# Altium PCB board _ordered.PcbDoc (part 1 of 2) (continued)
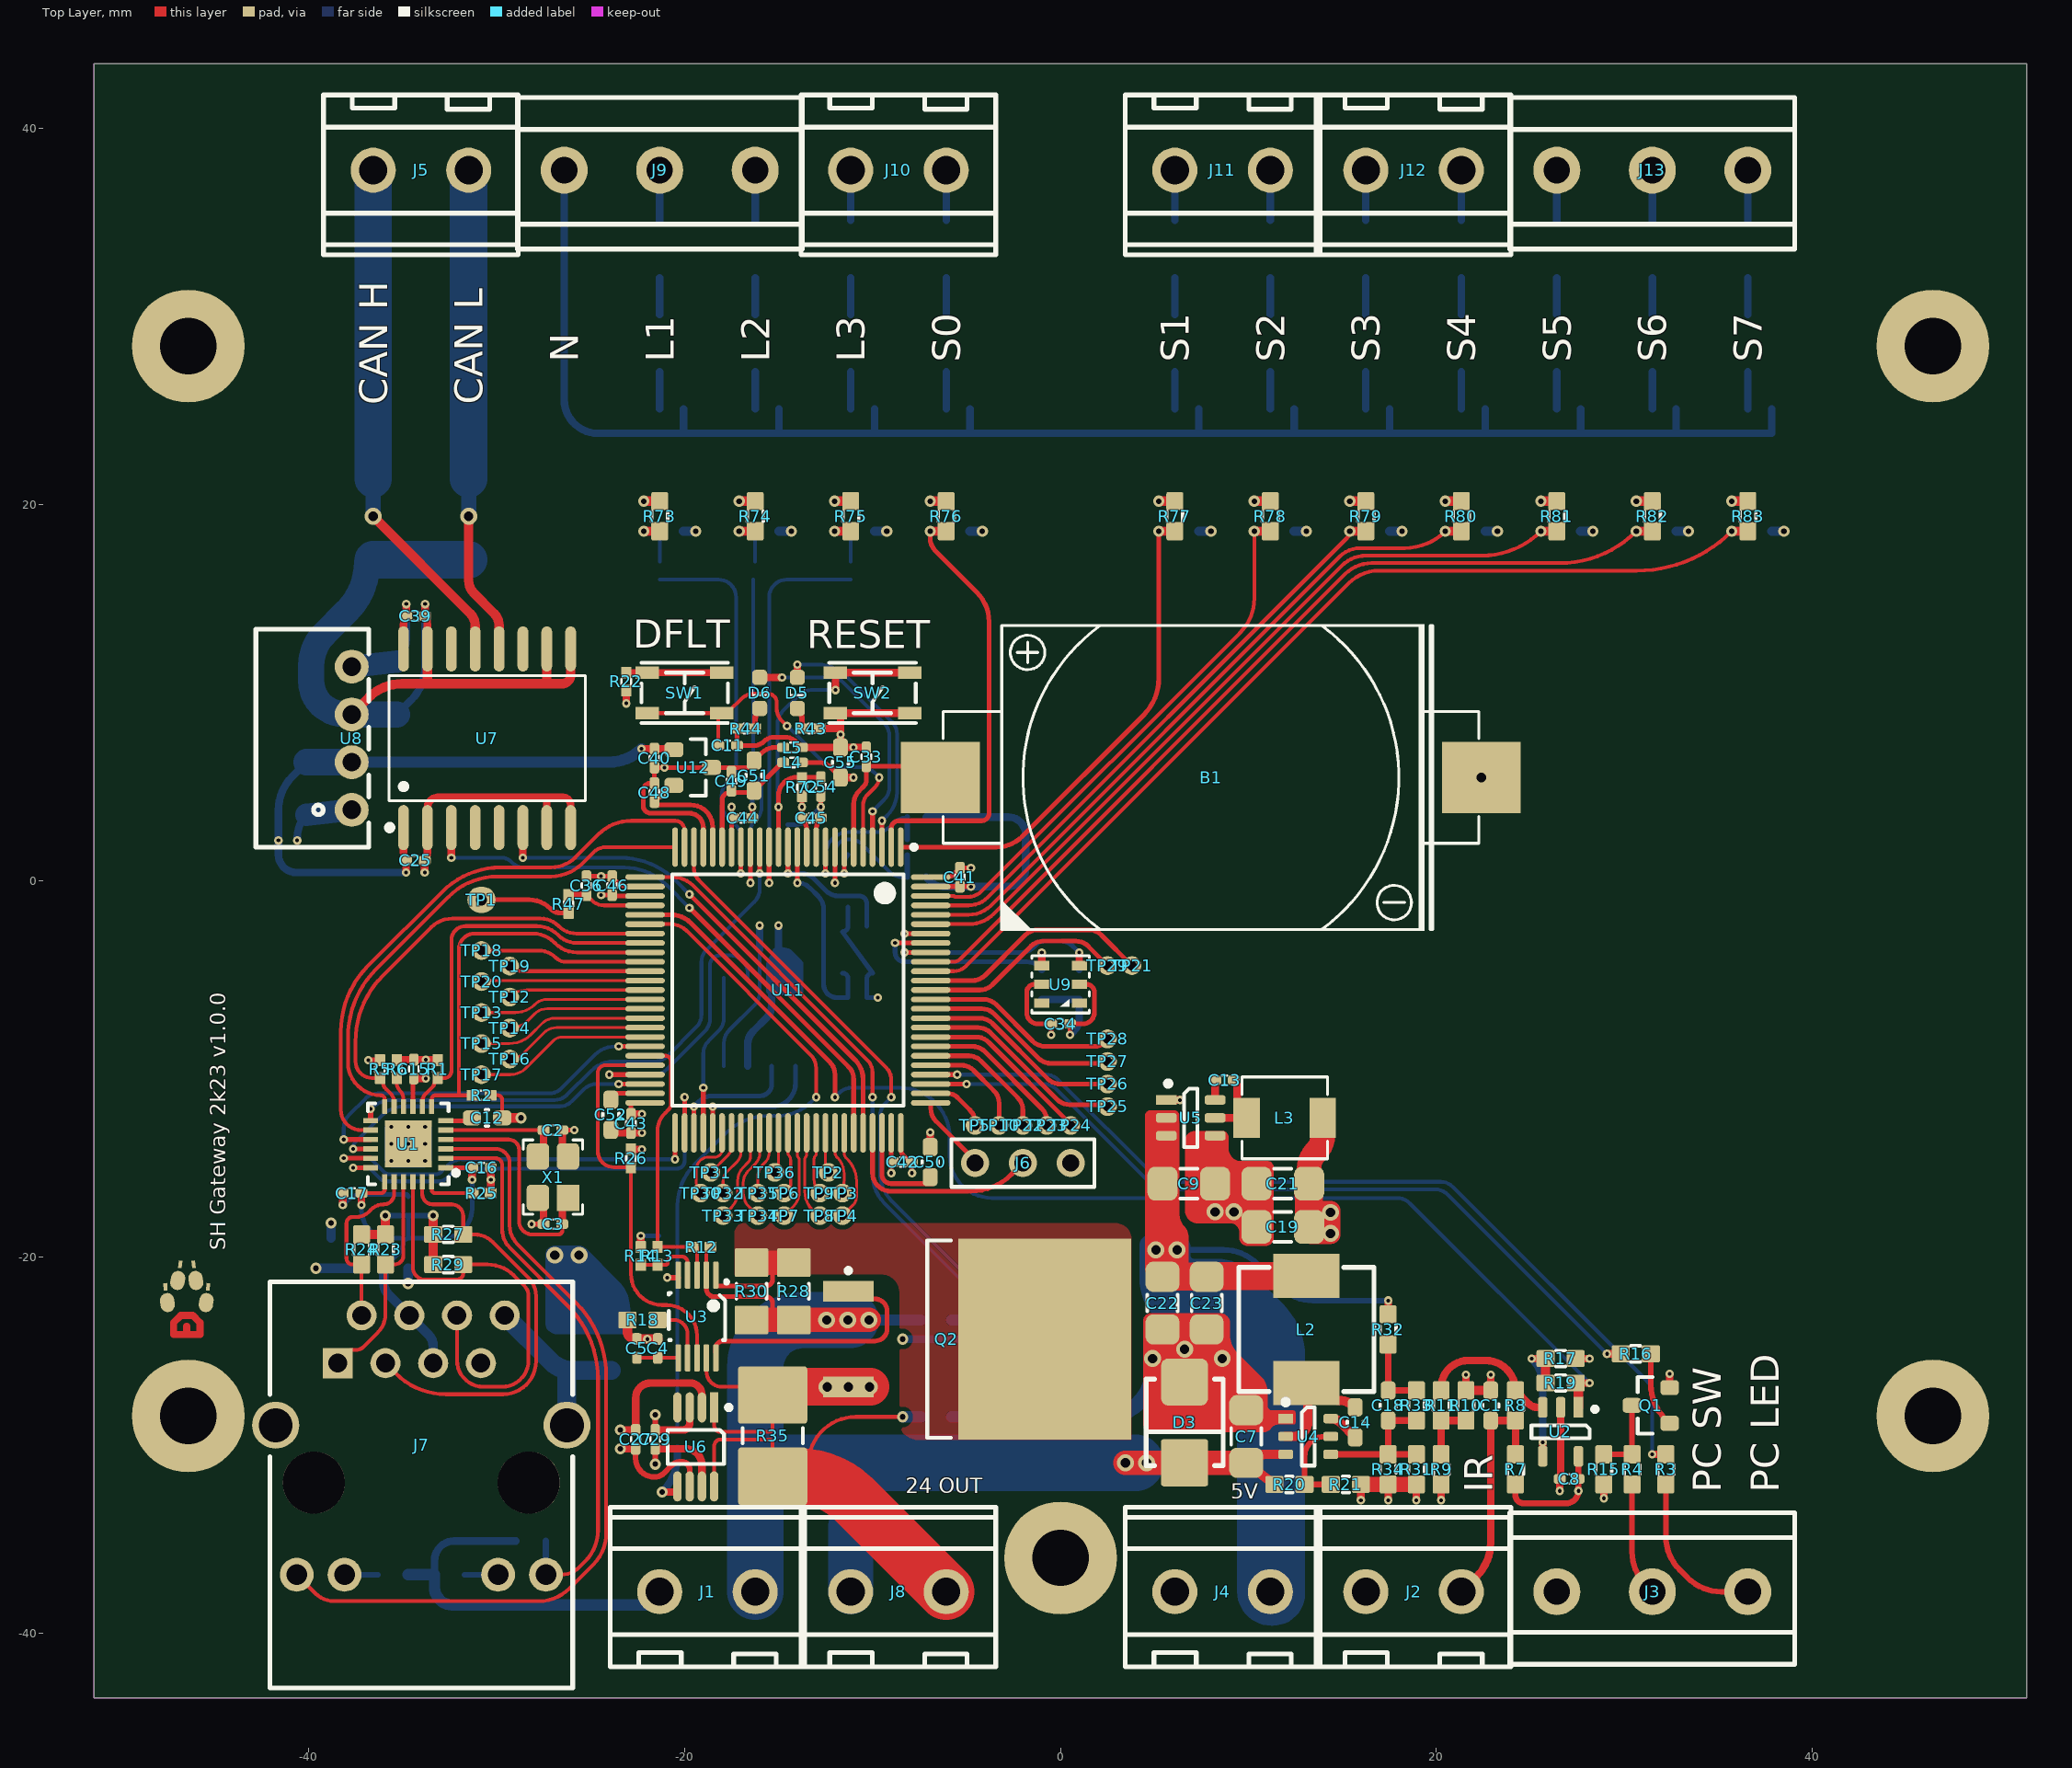
[diagram p0: Top Layer view]
## Footprints (in the part's own frame and the unit in brackets; to place one, negate y for a bottom-side part, rotate by r counter-clockwise, add the part's x,y. Pads: shape width x height; smd on the part's side, far side on the other; paste and mask are expansions set on the pad)
BAT-TH_CR2032-BS-6-1 [mm]
  rect 4.2x3.8 smd: 1(14.385,0) 2(-14.385,0)
  silkscreen extent -14.25,-8.15 14.25,8.15, body extent -12,-10 11.5,10, height 5.5
BTN_PTS810 [mm]
  rect 1.25x0.65 smd mask+0.05: 1(-1.975,1.075) 2(1.975,1.075) 3(-1.975,-1.075) 4(1.975,-1.075)
  silkscreen extent -2.3,-1.6 2.3,1.6, body extent -2.3,-1.6 2.3,1.6, height 2.5
C0402 [mm] "Chip Capacitor Body"
  rrect50% 0.635x0.508 smd mask+0.05: 1(-0.5,0) 2(0.5,0)
  silkscreen extent -0.13,-0.25 0.13,0.25, body extent -0.52,-0.27 0.53,0.28, height 0.55
C0603 [mil] "Chip Capacitor"
  rrect50% 38x31 smd mask+1.97: 1(-31.5,0) 2(31.5,0)
  silkscreen extent -3,-17 3,17, body extent -33,-18 33,18, height 35
C1206 [mm] "Chip Capacitor"
  rrect50% 1.6x1.8 smd: 1(-1.4,0) 2(1.4,0)
  silkscreen extent -0.45,-0.8 0.45,0.8, body extent -1.6,-0.88 1.6,0.92, height 1.6
CONN-TH_2P-P5.08 [mm]
  round 2.4 hole 1.5: 1(-2.54,0) 2(2.54,0)
  silkscreen extent -5.18,-4.5 5.18,4, body extent -5,-4.2 5,3.9, height 10.1
CONN-TH_DB127V-5.08-3P [mm]
  round 2.5 hole 1.4: 1(-5.08,0) 2(0,0) 3(5.08,0)
  silkscreen extent -7.58,-3.87 7.58,4.2, body extent -7.5,-3.9 7.5,4.2, height 10.1
CRYSTAL_3.2x2.5mm [mm]
  rect 1.4x1.2 smd mask+0.05: 1(-1.1,-0.8)
  rrect40% 1.4x1.2 smd mask+0.05: 2(-1.1,0.8) 3(1.1,0.8) 4(1.1,-0.8)
  silkscreen extent -1.97,-1.57 1.97,1.57, body extent -1.6,-1.25 1.6,1.25, height 0.82
D2PAK [mm] "D2-PAK, 4-Leads, Body 8.8x10.4mm, Pitch 2.54mm, Lead Span 15.1mm, IPC Low Density"
  rect 2.7x1.1 smd: 1(-6.85,2.54) 3(-6.85,-2.54)
  rect 9.2x10.7 smd: 2(3.6,0)
  silkscreen extent -6.97,-5.25 -1.4,5.25, body extent -7.9,-5.25 7.95,5.39, height 4.8
HDR-1X3 [mm]
  round 1.5 hole 0.9: 1(0,2.54) 2(0,0) 3(0,-2.54)
  silkscreen extent -1.27,-3.81 1.27,3.81
IND-SMD_L4.4-W4.2 [mm]
  rect 1.4x2.12 smd: 1(2.028,0) 2(-2.028,0)
  silkscreen extent -2.28,-2.18 2.28,2.18, body extent -2.28,-2.18 2.28,2.18, height 1.8
IND-SMD_L7.2-W6.6_GPSR07X0 [mm]
  rect 2.35x3.5 smd: 1(-2.85,0) 2(2.85,0)
  silkscreen extent -3.3,-3.6 3.3,3.6, body extent -3.3,-3.6 3.3,3.6, height 3
L0402 [mm] "Chip Inductor"
  rrect50% 0.635x0.508 smd mask+0.05: 1(-0.5,0) 2(0.5,0)
  silkscreen extent -0.13,-0.25 0.13,0.25, body extent -0.5,-0.25 0.5,0.25, height 0.5
L0603 [mil] "Chip Inductor"
  rrect50% 38x33.46 smd mask+1.97: 1(-31.5,0) 2(31.5,0)
  silkscreen extent -3,-17 3,17, body extent -31,-16 31,16, height 31
LED-0603-GRN [mm]
  rrect50% 0.8x0.8 smd mask+0.05: 1(0.825,0) 2(-0.825,0)
  silkscreen extent -0.18,-0.4 0.2,0.4, body extent -0.8,-0.4 0.8,0.4, height 0.6
LED-0603-RED [mm]
  rrect50% 0.8x0.8 smd paste+0 mask+0.05: 1(0.825,0) 2(-0.825,0)
  silkscreen extent -0.18,-0.4 0.2,0.4, body extent -0.8,-0.4 0.8,0.4, height 0.6
LQFP-100 [mm] "Thin QFP, 100-Leads, Body 14x14mm, Pitch 0.5mm, IPC Low Density"
  oval 2.1x0.3 smd: 1(-7.6,6) 2(-7.6,5.5) 3(-7.6,5) 4(-7.6,4.5) 5(-7.6,4) 6(-7.6,3.5) 7(-7.6,3) 8(-7.6,2.5) 9(-7.6,2) 10(-7.6,1.5) 11(-7.6,1) 12(-7.6,0.5) 13(-7.6,0) 14(-7.6,-0.5) 15(-7.6,-1) 16(-7.6,-1.5) 17(-7.6,-2) 18(-7.6,-2.5) 19(-7.6,-3) 20(-7.6,-3.5) 21(-7.6,-4) 22(-7.6,-4.5) 23(-7.6,-5) 24(-7.6,-5.5) 25(-7.6,-6) 51(7.6,-6) 52(7.6,-5.5) 53(7.6,-5) 54(7.6,-4.5) 55(7.6,-4) 56(7.6,-3.5) 57(7.6,-3) 58(7.6,-2.5) 59(7.6,-2) 60(7.6,-1.5) 61(7.6,-1) 62(7.6,-0.5) 63(7.6,0) 64(7.6,0.5) 65(7.6,1) 66(7.6,1.5) 67(7.6,2) 68(7.6,2.5) 69(7.6,3) 70(7.6,3.5) 71(7.6,4) 72(7.6,4.5) 73(7.6,5) 74(7.6,5.5) 75(7.6,6)
  oval 0.3x2.1 smd: 26(-6,-7.6) 27(-5.5,-7.6) 28(-5,-7.6) 29(-4.5,-7.6) 30(-4,-7.6) 31(-3.5,-7.6) 32(-3,-7.6) 33(-2.5,-7.6) 34(-2,-7.6) 35(-1.5,-7.6) 36(-1,-7.6) 37(-0.5,-7.6) 38(0,-7.6) 39(0.5,-7.6) 40(1,-7.6) 41(1.5,-7.6) 42(2,-7.6) 43(2.5,-7.6) 44(3,-7.6) 45(3.5,-7.6) 46(4,-7.6) 47(4.5,-7.6) 48(5,-7.6) 49(5.5,-7.6) 50(6,-7.6) 76(6,7.6) 77(5.5,7.6) 78(5,7.6) 79(4.5,7.6) 80(4,7.6) 81(3.5,7.6) 82(3,7.6) 83(2.5,7.6) 84(2,7.6) 85(1.5,7.6) 86(1,7.6) 87(0.5,7.6) 88(0,7.6) 89(-0.5,7.6) 90(-1,7.6) 91(-1.5,7.6) 92(-2,7.6) 93(-2.5,7.6) 94(-3,7.6) 95(-3.5,7.6) 96(-4,7.6) 97(-4.5,7.6) 98(-5,7.6) 99(-5.5,7.6) 100(-6,7.6)
  silkscreen extent -7.72,-6.15 6.15,6.83, body extent -8.01,-8.01 8.01,8.01, height 1.55
MC-146 [mm]
  rect 1.2x0.6 smd: 1(-3.15,-0.425) 2(3.15,-0.425) 3(3.15,0.425) 4(-3.15,0.425)
  silkscreen extent -3.88,-1.47 2.3,0.75, body extent -3.35,-0.75 3.55,0.75, height 1.45
MSOP8 [mm] "MSOP, 8-Leads"
  rect 0.45x1.6 smd mask+0.05: 1(-0.975,-2.1)
  oval 0.45x1.6 smd mask+0.05: 2(-0.325,-2.1) 3(0.325,-2.1) 4(0.975,-2.1) 5(0.975,2.1) 6(0.325,2.1) 7(-0.325,2.1) 8(-0.975,2.1)
  silkscreen extent -1.87,-2.23 1.5,0.9, body extent -1.5,-2.46 1.5,2.46, height 1.1
PWRM-TH_BXXXXS-1WR3 [mm]
  round 1.8 hole 1: 1(-3.81,0) 2(-1.27,0) 3(1.27,0) 4(3.81,0)
  silkscreen extent -5.8,-0.9 5.8,5.1, body extent -5.8,-0.9 5.8,5.1, height 9.5
QFN-24_L4.0-W4.0-P0.50-TL-EP2.5 [mm]
  rect 0.8x0.28 smd mask+0.05: 1(-2,1.25) 2(-2,0.75) 3(-2,0.25) 4(-2,-0.25) 5(-2,-0.75) 6(-2,-1.25) 13(2,-1.25) 14(2,-0.75) 15(2,-0.25) 16(2,0.25) 17(2,0.75) 18(2,1.25)
  rect 0.28x0.8 smd mask+0.05: 7(-1.25,-2) 8(-0.75,-2) 9(-0.25,-2) 10(0.25,-2) 11(0.75,-2) 12(1.25,-2) 19(1.25,2) 20(0.75,2) 21(0.25,2) 22(-0.25,2) 23(-0.75,2) 24(-1.25,2)
  rect 2.5x2.5 smd mask+0.05: 25(0,-0.013)
  silkscreen extent -2.8,-2.16 2.15,2.14, body extent -2,-2 2,2, height 0.9
R0402 [mm]
  rrect10% 0.635x0.55 smd mask+0.05: 1(-0.476,0) 2(0.476,0)
  silkscreen extent -0.12,-0.25 0.13,0.25, body extent -0.52,-0.27 0.53,0.28, height 0.4
R0603 [mil] "Chip Resistor; Body 1.6 x 0.8 mm (LxW typ)"
  rrect20% 38x35.43 smd mask+1.97: 1(-31.5,0) 2(31.5,0)
  silkscreen extent -10,-17 10,17, body extent -33,-18 33,18, height 22
R1206 [mil] "Chip Resistor"
  rrect10% 60x70 smd mask+1.97: 1(-60,0) 2(60,0)
  silkscreen extent -16,-31 16,31, body extent -65,-33 65,33, height 26
R2512-WIDE [mm] "Chip Resistor; Body 6.4 x 3.2 mm (LxW typ)"
  rrect10% 3.05x3.68 smd mask+0.05: 1(-2.16,0) 2(2.16,0)
  silkscreen extent -0.4,-1.6 0.4,1.6, body extent -3.19,-1.55 3.16,1.55, height 0.55
RJ45-TH_HR911105A [mm]
  rect 1.6x1.6 hole 1: 1(-4.45,4.355)
  round 1.6 hole 1: 2(-3.18,6.895) 3(-1.91,4.355) 4(-0.64,6.895) 5(0.63,4.355) 6(1.9,6.895) 7(3.17,4.355) 8(4.44,6.895)
  round 1.8 hole 1.1: 9(-6.625,-6.895) 10(-4.085,-6.895) 11(4.085,-6.895) 12(6.625,-6.895)
  round 2.5 hole 1.8: SH1(-7.745,1.055) SH2(7.745,1.055)
  round 3.3 hole 3.3 unplated: ""(-5.715,-1.995) ""(5.715,-1.995)
  silkscreen extent -8.05,-12.92 8.05,8.68, body extent -8,-12.92 8,8.68, height 13.95
SENSOR-SMD_L3.0-W3.0-P1.00-BR [mm]
  rect 0.8x0.5 smd mask+0.05: 1(1,-1) 2(1,0) 3(1,1) 4(-1,1) 5(-1,0) 6(-1,-1)
  silkscreen extent -1.52,-1.52 1.52,1.52, body extent -1.5,-1.5 1.5,1.5, height 0.8
SMB [mm]
  rrect30% 2.5x2.5 smd mask+0.05: 1(-2.15,0)
  rrect10% 2.5x2.5 smd mask+0.05: 2(2.15,0)
  silkscreen extent -2.3,-2.05 2.3,2.05, body extent -2.75,-1.93 2.85,2.02, height 2.65
SMC [mm]
  rect 2.5x3.3 smd: 1(3.4,0) 2(-3.4,0)
  silkscreen extent -3.6,-3.1 3.6,3.1, body extent -4.07,-3.15 4.08,3.1, height 2.65
SOIC-8 [mm]
  rect 0.72x1.78 smd mask+0.025: 1(-1.905,-2.34)
  rrect50% 0.72x1.78 smd mask+0.025: 2(-0.635,-2.34) 3(0.635,-2.34) 4(1.905,-2.34) 5(1.905,2.34) 6(0.635,2.34) 7(-0.635,2.34) 8(-1.905,2.34)
  silkscreen extent -2.49,-1.17 2.49,1.17, body extent -2.45,-2.9 2.45,3.1, height 1.7
SOIC-16_L10.3-W7.5-P1.27-LS10.3-BL [mm]
  oval 0.574x2.401 smd: 1(-4.445,-4.75) 2(-3.175,-4.75) 3(-1.905,-4.75) 4(-0.635,-4.75) 5(0.635,-4.75) 6(1.905,-4.75) 7(3.175,-4.75) 8(4.445,-4.75) 9(4.445,4.75) 10(3.175,4.75) 11(1.905,4.75) 12(0.635,4.75) 13(-0.635,4.75) 14(-1.905,4.75) 15(-3.175,4.75) 16(-4.445,4.75)
  silkscreen extent -5.33,-4.9 5.23,3.32, body extent -5.1,-5.15 5.1,5.15, height 3.5
SOP-4_L4.4-W2.8-P1.27-LS7.0-TL [mm]
  oval 1.71x0.56 smd: 1(-3.255,0.635) 2(-3.255,-0.635) 3(3.255,-0.635) 4(3.255,0.635)
  silkscreen extent -3.24,-1.25 1.97,1.47, body extent -3.5,-1.4 3.5,1.4, height 2.1
SOT-23 [mm]
  rrect50% 1x0.8 smd mask+0.05: 1(1,-0.95) 2(1,0.95) 3(-1,0)
  silkscreen extent -0.7,-1.5 0.1,1.5, body extent -1.27,-1.5 1.33,1.5, height 1.1
SOT-23-5 [mm]
  rect 1.1x0.5 smd mask+0.05: 1(1.3,-0.95)
  rrect50% 1.1x0.5 smd mask+0.05: 2(1.3,0) 3(1.3,0.95) 4(-1.3,0.95) 5(-1.3,-0.95)
  silkscreen extent -0.35,-1.95 1.32,1.55, body extent -1.6,-1.55 1.6,1.55, height 1.45
SOT-23-6#1 [mm]
  rect 0.8x0.5 smd mask+0.05: 1(1.2,-0.95)
  rrect50% 0.8x0.5 smd mask+0.05: 2(1.2,0) 3(1.2,0.95) 4(-1.2,0.95) 5(-1.2,0) 6(-1.2,-0.95)
  silkscreen extent -0.35,-1.95 1.32,1.55, body extent -1.3,-1.45 1.3,1.45, height 1.14
SOT-23-6#2 [mm]
  rect 0.5x1.1 smd mask+0.05: 1(-0.95,-1.3)
  rrect50% 0.5x1.1 smd mask+0.05: 2(0,-1.3) 3(0.95,-1.3) 4(0.95,1.3) 5(0,1.3) 6(-0.95,1.3)
  silkscreen extent -1.95,-1.32 1.55,0.35, body extent -1.45,-1.3 1.45,1.3, height 1.14
TP_TH_MICRO#1 [mm] "TP30_SMD"
  oval 1.5x1.4 hole 0.6 mask+0.05: 1(0,0)
TP_TH_MICRO#2 [mm] "TP30_SMD"
  round 1 hole 0.5 mask+0.05: 1(0,0)
TP_TH_MICRO#3 [mm] "TP30_SMD"
  oval 1x0.9 smd far side mask+0.05: 1(0,0)
"VSSOP-10 (3x3x0.5)" [mm]
  rrect50% 0.3x1.45 smd mask+0.05: 1(-1,-2.2) 2(-0.5,-2.2) 3(0,-2.2) 4(0.5,-2.2) 5(1,-2.2) 6(1,2.2) 7(0.5,2.2) 8(0,2.2) 9(-0.5,2.2) 10(-1,2.2)
  silkscreen extent -1.61,-1.88 1.5,1.25, body extent -1.5,-2.46 1.5,2.46, height 1.1

## Part data
C1 C14 C24 C26: library part CAP, "100nF 0603"
C2 C3 C32 C38 C47 C53: library part CAP, "10pF 0402"
C4 C5 C8 C11 C13 C15 C16 C17 C20 C25 C27 C29 C33 C34 C35 C39 C40 C41 C42 C43 C44 C45 C46 C48 C49 C54: library part CAP, "100nF 0402"
C6 C10 C12 C50 C51 C52 C55: library part CAP, "1uF 0603"
C7 C9 C19 C21 C22 C23 C28 C37: library part CAP, "10uF 1206"
C18: library part CAP, "75pF 0603"
C30: library part CAP, "1nF 2kV 1206"
C31 C36 C56 C57 C58: library part CAP, "100pF 0402"
D1 D2: library part SMCJ54A
D3: library part SMCJ54A, "P6SMB24A"
D4: library part NCP51460SN33T1G, "1.5SMC24A-E3/57T"
D5: library part LED-0603-GREEN, "LED 0603 GRN"
D6: library part LED-0603-RED, "LED 0603 RED"
J1 J2 J4 J5 J8 J10 J11 J12: library part "CONN MOLEX HDR-M 1x4"
J3 J9 J13: library part "CONN MOLEX HDR-M 1x12"
J6: library part "Header 3"
L1 L4 L5: library part BLM18AG601SN1D, "BEAD 0402"
L2: library part SRN3015-100M, "CYA0630-10UH"
L3: "FXL0420-4R7-M"
Q1: library part MMBT2222ALT1G, "MMBT2222"
Q2: library part BSC123N10LSGATMA1
R1 R2 R5 R6: library part RES_0402_1K5-1%, "10k 0402"
R3 R4 R7 R8 R9 R10 R11 R15 R16 R17 R19 R36 R73 R74 R75 R76 R77 R78 R79 R80 R81 R82 R83: library part RES_0402_1K5-1%, "10k 0603"
R12: library part R0402_Dup1, "100k 0402"
R13 R43 R44 R46 R47 R72 R84 R85 R86: library part RES, "4k7 0402"
R14 R22 R26: library part R0201, "10k 0402"
R18: library part RES, "12k 0603"
R20 R38 R41: library part RES, "330k 0603"
R21 R31 R34: library part RES, "27k 0603"
R23 R24 R27 R29: library part RES, "49.9R 0603"
R25: library part RES, "12k 0402"
R28: library part R0201, "39mR 1206"
R30: library part R0201, "27mR 1206"
R32: library part R0201, "49.9R 0603"
R33: library part RES, "100k 0603"
R35: library part RES, "2mR shunt 2512"
R37 R40 R59 R71: library part RES_0402_1K5-1%, "470R 0603"
R39 R42: library part R0201, "1k 0603"
R45: library part RES_0402_1K5-1%, "1M 1206"
R48 R49 R50 R51 R52 R53 R54 R55 R56 R57 R58 R60 R61 R62 R63 R64 R65 R66 R67 R68 R69 R70: library part RES, "220k 1206"
SW1 SW2: library part Component_1
TP1 TP2 TP3 TP4 TP5 TP6 TP7 TP8 TP9 TP10 TP11 TP12 TP13 TP14 TP15 TP16 TP17 TP18 TP19 TP20 TP21 TP22 TP23 TP24 TP25 TP26 TP27 TP28 TP29 TP30 TP31 TP32 TP33 TP34 TP35 TP36: library part TP_Dup1
U3: library part TPS2491
U4: library part LM27313XMFX, "TPS54302DDCR"
X1: library part "CRYSTAL 12MHZ 3.20mm x 2.50mm", "X322525MOB4SI"
X3: library part "CRYSTAL 12MHZ 3.20mm x 2.50mm", "X322512MOB4SI"

## Free pads (board coordinates)
  round 6 hole 3: M(-46.4,-28.45) M(-46.4,28.45) M(0,-36) M(46.4,-28.45) M(46.4,28.45)
  rect 0.4x0.2 smd rot 93 mask+0.102: ""(-47.606,-21.585)
  oval 0.762x1.016 smd rot 8 mask+0.102: ""(-47.505,-22.423)
  oval 0.762x1.016 smd rot 173 mask+0.102: ""(-46.957,-21.248)
  rect 0.4x0.2 smd rot 83 mask+0.102: ""(-46.828,-20.387)
  rect 0.4x0.2 smd rot 97 mask+0.102: ""(-46.122,-20.387)
  oval 0.762x1.016 smd rot 7 mask+0.102: ""(-45.993,-21.248)
  oval 0.762x1.016 smd rot 172 mask+0.102: ""(-45.445,-22.423)
  rect 0.4x0.2 smd rot 87 mask+0.102: ""(-45.344,-21.585)

## Via types
v1: diameter 0.45, hole 0.2, Top Layer to Bottom Layer, tented both sides, 116 vias
v2: diameter 0.6, hole 0.3, Top Layer to Bottom Layer, tented both sides, 46 vias
v3: diameter 0.9, hole 0.5, Top Layer to Bottom Layer, tented both sides, 22 vias

## Nets (pads, with @x,y where several pads share a name; then routed paths per layer and width w, separated by ;. In a path a pad name is that pad's centre, name@x,y a point inside that pad or via, vN(x,y) a via of type N, cw(c..) or ccw(c..) an arc to the next point about the centre after c; other vN are vias at no path point)
3V3: C6.2 C8.2 C15.2 C19.2 C21.2 C27.2 C34.2 C35.2 C41.2 C42.2 C43.2 C44.2 C45.2 C46.2 C55.2 L1.2 L3.2 L4.1 R5.2 R7.1 R9.1 R15.1 R22.1 R26.2 R59.2 R71.2 R72.1 R73.1 R74.1 R75.1 R76.1 R77.1 R78.1 R79.1 R80.1 R81.1 R82.1 R83.1 U1.9 U2.5 U5.1 U6.6 U9.2 U10.3 U10.7 U10.8 U11.11 U11.19 U11.28 U11.50 U11.75 U11.100 | length 67.2
  Top Layer w0.25: U1.9@-34.45,-12 -34.45,-10.55 cw(c-34.4,-10.55) C15.2@-34.4,-10.5 ; v1(-24.435,-0.75) C46.2@-23.85,-0.75 ccw(c-23.729,-0.629) -23.729,-0.8 U11.28@-22.1,-0.8 ; C43.2@-22.848,-12.4 U11.50@-22.848,-11.8 ; U11.19@-17.5,1.8 v1(-17.5,3.935) ; R72.1@-13.75,4.519 v1(-13.75,3.935) C45.2@-13.75,3.35 -13.75,3.3 cw(c-14.354,2.696) -13.5,2.696 U11.11@-13.5,1.8 ; L4.1@-13.75,6.3 -12.857,6.3 cw(c-12.857,5.438) -12.248,6.047 C55.2@-11.7,5.5 ; U11.75@-8.5,-13.4 -8.5,-14.263 ccw(c-8.049,-14.263) -8.368,-14.582 C42.2@-8,-14.95 ; v1(-7.9,-15.535) C42.2@-7.9,-14.95 ; U11.100@-6.9,0.2 -6.037,0.2 ccw(c-6.037,0.651) -5.718,0.332 C41.2@-5.35,0.7 v1(-4.765,0.7) ; v1(0.5,-8.185) C34.2@0.5,-7.6 ; C34.2@0.5,-7.6 1.2,-7.6 ccw(c1.2,-7) 1.8,-7 1.8,-5.913 ccw(c1.387,-5.913) 1.387,-5.5 U9.2@1,-5.5
  Top Layer w0.3: v1(-36.825,-9.524) R5.2@-36.2,-9.524 ; C27.2@-22.6,-30.2 -22.6,-30.7 ccw(c-21.6,-30.7) -21.6,-31.7 ccw(c-21.6,-30.976) -21.088,-31.488 -20.7,-31.1 cw(c-20.164,-31.636) -20.164,-30.878 cw(c-20.164,-31.318) -19.725,-31.318 U6.6@-19.725,-32.2
  Top Layer w0.32: R7.1@24.2,-32.094 24.2,-32.662 ccw(c24.638,-32.662) 24.638,-33.1 26.885,-33.1 ccw(c26.885,-32.435) v1(27.55,-32.435) C8.2@27.55,-31.8 U2.5@27.55,-30.593
  Top Layer w0.4: C15.2@-34.4,-10.5 v1(-33.765,-10.5) ; v2(-23.414,-30.2) C27.2@-22.6,-30.2 ; v1(-23.1,9.439) R22.1@-23.1,10.124 ; R26.2@-22.848,-14.274 v1(-22.263,-14.274) ; C43.2@-22.848,-12.4 v1(-22.263,-12.4) ; C55.2@-11.7,5.5 v1(-11.015,5.5) ; U5.1@5.625,-11.65 v1(6.36,-11.65) ; v1(20.246,-32.929) R9.1@20.246,-32.094 ; v1(28.9,-32.829) R15.1@28.9,-32.094
  Top Layer w0.5: v2(-22.172,20.195) R73.1@-21.32,20.195 ; v2(-17.092,20.195) R74.1@-16.24,20.195 ; v2(-12.012,20.195) R75.1@-11.16,20.195 ; v2(-6.932,20.195) R76.1@-6.08,20.195 ; v2(5.228,20.195) R77.1@6.08,20.195 ; v2(10.308,20.195) R78.1@11.16,20.195 ; v2(15.388,20.195) R79.1@16.24,20.195 ; v2(20.468,20.195) R80.1@21.32,20.195 ; v2(25.548,20.195) R81.1@26.4,20.195 ; v2(30.628,20.195) R82.1@31.48,20.195 ; v2(35.708,20.195) R83.1@36.56,20.195
  Top Layer w1.3: C21.2@13.221,-15.287 C21.2@13.225,-16.1 ; C21.2@13.225,-15.287 cw(c14.469,-15.287) 13.581,-14.416 cw(c14.469,-15.287) 13.589,-14.408 ccw(c12.711,-13.53) 13.597,-14.4 ccw(c12.711,-13.53) 13.953,-13.53 L3.2@13.953,-12.6
  Top Layer w1.5: C21.2@13.199,-16.097 13.199,-16.1 13.206,-17.63 C19.2@13.21,-18.4
  Bottom Layer w0.4: U10.3@-16.635,-9.84 -16.635,-8.668 cw(c-15.695,-8.668) -16.36,-8.003 -15.64,-7.284 ccw(c-16.305,-6.619) -15.365,-6.619 U10.7@-15.365,-5.16 ; C35.2@-15,-3.658 v1(-15,-2.373) ; R71.2@-1,-6.3 R59.2@1,-6.3 1,-7.295 cw(c0.06,-7.295) 0.725,-7.96 v1(0.5,-8.185)
  Bottom Layer w0.5: v2(-39.61,-20.6) C6.2@-38.8,-20.6 L1.2@-37.6,-20.6
  other v3: 14.358,-18.75 14.358,-17.625
5V: C9.2 C22.2 C23.2 C25.2 C28.2 C40.2 J4.1 L2.2 R32.1 U5.2 U5.3 U7.1 U8.2 U12.1 | length 55.4
  Top Layer w0.4: U7.1@-34.945,2.838 -34.945,1.528 ccw(c-34.415,1.528) C25.2@-34.79,1.153 ; v1(-34.82,0.453) C25.2@-34.82,1.088 ; v1(-22.285,7.033) C40.2@-21.6,7.033 U12.1@-20.562,7.033 ; R32.1@17.427,-23.05 v1(17.427,-22.315)
  Top Layer w1.5: C22.2@5.425,-21.035 6.205,-21.031 7.775,-21.024 L2.2@13.077,-21
  Bottom Layer w0.3: v3(6.2,-19.617) 8.665,-19.617 cw(c8.665,-22.157) 10.461,-20.361 11.7,-21.6 ccw(c13.426,-19.874) 13.426,-22.315 v1(17.427,-22.315)
  Bottom Layer w0.4: C28.2@-40.1,6.318 -40.856,5.562 ccw(c-39.06,3.766) -41.6,3.766 v1(-41.6,2.153) -41.6,1.393 ccw(c-40.66,1.393) -40.66,0.453 v1(-34.82,0.453)
  Bottom Layer w0.6: U8.2@-37.7,6.318 -24.01,6.318 ccw(c-24.01,8.758) v1(-22.285,7.033)
  Bottom Layer w1.4: C28.2@-40.1,6.318 U8.2@-37.7,6.318
  other v3: 5.075,-19.617
5V_ISOL: C37.2 C39.2 U7.16 U8.4 | length 8
  Top Layer w0.4: U7.16@-34.945,12.338 -34.945,13.648 cw(c-34.415,13.648) C39.2@-34.79,14.023 ; C39.2@-34.8,14.088 v1(-34.8,14.723)
  Bottom Layer w0.4: C37.2@-35.3,11.658 ccw(c-36.507,12.865) -34.8,12.865 v1(-34.8,14.723)
  Bottom Layer w1.2: U8.4@-37.7,11.398 C37.2@-35.3,11.658
24V: C7.2 D3.2 J1.1 R12.2 R20.1 R28.2 R30.2 R38.1 U3.2 U4.3 | length 65.6
  Top Layer w0.2: U3.2@-18.836,-20.964 -18.836,-19.464 R12.2@-18.61,-19.464
  Top Layer w0.25: U3.2@-18.836,-20.964 -18.836,-21.689 ccw(c-18.415,-21.689) -18.415,-22.11 -15.666,-22.11 cw(c-15.666,-22.464) -15.312,-22.464 -15.312,-23.348
  Top Layer w0.5: R20.1@11.377,-32.094 11.182,-31.944 C7.2@9.877,-30.943 cw(c10.964,-32.03) 10.964,-30.493 U4.3@11.977,-30.493
  Top Layer w1.3: R30.2@-16.437,-23.348 -15.312,-23.348 R28.2@-14.187,-23.348 v3(-12.437,-23.348) v3(-11.312,-23.348) v3(-10.187,-23.348) ; v3(3.45,-30.943) v3(4.575,-30.943) D3.2@6.6,-30.943 C7.2@9.877,-30.943
  Bottom Layer w0.6: v3(-10.187,-23.348) R38.1@-7.4,-23.348
  Bottom Layer w3: J1.1@-16.24,-37.8 -16.24,-30.943 ; v3@-11.166,-23.348 v3(-11.312,-23.348) v3(-12.437,-23.348) -13.7,-23.348 ccw(c-13.7,-25.888) -16.24,-25.888 -16.24,-30.943 ; 4,-30.943 v3(3.45,-30.943) -16.24,-30.943
24V_EN: R12.1 R13.1 U3.3 U11.45 | length 15.2
  Top Layer w0.2: U11.45@-22.1,-9.3 -21.002,-9.3 cw(c-21.002,-9.576) -20.726,-9.576 -20.726,-11.871 cw(c-21.133,-11.871) -20.845,-12.159 -21.044,-12.357 ccw(c-20.095,-13.306) -21.437,-13.306 R13.1@-21.437,-19.464 R12.1@-19.562,-19.464 -19.336,-19.464 U3.3@-19.336,-20.964
24V_I_SNS: C31.1 R46.2 U11.31 | length 36.1
  Top Layer w0.2: U11.31@-22.1,-2.3 -20.729,-2.3 cw(c-20.73,-3.476) -19.898,-2.644 -13.287,-9.256 cw(c-13.979,-9.948) -13,-9.948 v1(-13,-11.5)
  Bottom Layer w0.2: R46.2@-20.375,-29.224 cw(c-20.226,-29.075) -20.437,-29.075 -20.375,-29.075 C31.1@-20.375,-18.88 -20.375,-17.264 cw(c-17.306,-17.264) -19.476,-15.094 -17.78,-13.398 cw(c-15.611,-15.569) -15.611,-12.5 -15.115,-12.5 ccw(c-15.115,-9.809) -13.212,-11.712 v1(-13,-11.5)
24V_LOAD: J8.1 R35.2 R41.1 U6.8 | length 27.6
  Top Layer w0.2: U6.8@-18.425,-32.2 -18.425,-30.056 cw(c-18.069,-30.056) -18.069,-29.7 -15.5,-29.7 cw(c-15.5,-29.888) -15.312,-29.888 R35.2@-15.312,-31.66 -14.004,-31.66 -13.4,-31.66 -13.4,-31 cw(c-10.9,-31) -10.9,-28.5 v2(-8.4,-28.5)
  Top Layer w3: R35.2@-14.004,-31.66 cw(c-14.004,-35.966) -10.959,-32.921 J8.1@-6.08,-37.8
  Bottom Layer w0.6: v2(-8.4,-28.5) R41.1@-7.4,-28.5
24V_PG: R26.1 U3.8 U11.46 | length 21.4
  Top Layer w0.2: U11.46@-22.1,-9.8 -24.206,-9.8 ccw(c-24.206,-10.206) -24.613,-10.206 -24.613,-14.372 ccw(c-23.758,-14.372) -23.758,-15.226 R26.1@-22.848,-15.226 -22.848,-20.898 ccw(c-21.19,-20.898) -21.19,-22.555 -20.95,-22.555 cw(c-20.95,-24.169) -19.336,-24.169 U3.8@-19.336,-25.364
ADC_4: C36.2 R47.2 U11.29 | length 4.3
  Top Layer w0.2: C36.2@-25.219,-0.75 -24.944,-1.025 ccw(c-24.28,-0.36) -24.28,-1.3 U11.29@-22.1,-1.3
  Top Layer w0.4: R47.2@-26.167,-0.75 C36.2@-25.219,-0.75
ADC_10: C58.2 R86.2 U11.15 | length 22
  Top Layer w0.25: v1(-15.5,-0.1) U11.15@-15.5,1.8
  Bottom Layer w0.2: v1(-15.5,-0.1) C58.2@-15.5,3 -15.5,15.084 cw(c-14.56,15.084) -14.56,16.024 R86.2@-11.16,16.024
ADC_12: C57.2 R85.2 U11.17 | length 18.4
  Top Layer w0.25: v1(-16.5,-0.1) U11.17@-16.5,1.8
  Bottom Layer w0.2: v1(-16.5,-0.1) -16.5,2.611 cw(c-15.667,2.611) -16.256,3.2 -16.17,3.287 ccw(c-16.82,3.937) -15.9,3.937 -15.9,5.035 ccw(c-16.389,5.035) -16.043,5.38 -16.324,5.66 cw(c-16.284,5.7) -16.34,5.7 R85.2@-16.34,16.024
ADC_13: C56.2 R84.2 U11.18 | length 21.3
  Top Layer w0.25: v1(-17,0.4) U11.18@-17,1.8
  Bottom Layer w0.2: R84.2@-21.32,16.024 -18.194,16.024 cw(c-18.194,15.084) -17.254,15.084 C56.2@-17.254,5.698 -17.749,5.204 ccw(c-17.084,4.539) -18.024,4.539 -18.024,4.113 ccw(c-17.084,4.113) -17.749,3.449 ; -17.749,3.449 -17.275,2.975 cw(c-17.94,2.311) -17,2.311 v1(-17,0.4)
AGND: C29.1 C40.1 C48.1 C49.1 C51.1 L5.2 U6.3 U11.22 U12.3 | length 58.2
  Top Layer w0.25: C48.1@-21.6,5.2 C48.1@-21.6,5.394 ; U11.22@-19,1.8 -19,2.848 ccw(c-19.752,2.848) -19.752,3.6 -21.8,3.6 cw(c-21.8,4) -22.2,4 -22.2,4.794 cw(c-21.794,4.794) -21.794,5.2 ccw(c-21.794,5.394) C48.1@-21.6,5.394 ; L5.2@-14.75,7.1 -15.179,7.1 ccw(c-15.179,6.083) -15.898,6.802 C51.1@-16.3,6.4 cw(c-16.667,6.4) -16.667,6.033 U12.3@-18.562,6.033 v1(-21.061,6.033) C40.1@-21.6,6.033 C48.1@-21.6,5.394
  Top Layer w0.3: C29.1@-21.559,-29.2 v2(-21.559,-28.386)
  Top Layer w0.4: C29.1@-21.559,-29.2 -20.099,-29.2 ccw(c-20.099,-28.826) -19.725,-28.826 U6.3@-19.725,-28
  Mid Layer 2 w0.5: v2(-21.559,-28.386) -21.158,-27.986 -21.158,-23.062 -27.365,-16.855 -27.365,-0.271 v1(-21.061,6.033)
B_DFLT: C11.2 SW1.3 SW1.4 U11.5 | length 20.4
  Top Layer w0.2: SW1.3@-21.975,8.925 -18.202,8.925 C11.2@-18.202,7.2 ; SW1.4@-18.025,8.925 ccw(c-18.025,9.62) -17.534,9.129 -16.985,9.677 cw(c-16.32,9.013) -16.32,9.953 -15.553,9.953 cw(c-15.553,9.5) -15.1,9.5 -15.1,9.183 ccw(c-14.16,9.183) -14.825,8.518 v1(-14.547,8.24) ; U11.5@-10.5,1.8 -10.5,4.032 cw(c-9.711,4.032) -10.269,4.59 -9.85,5.009 ccw(c-10.34,5.5) v1(-9.646,5.5)
  Bottom Layer w0.2: v1(-14.547,8.24) -12.623,6.317 ; -12.623,6.317 ccw(c-11.959,6.981) -11.959,6.041 -10.566,6.041 cw(c-10.566,5.128) -9.921,5.774 v1(-9.646,5.5)
C_GND: C37.1 C39.1 D1.1 D2.1 U7.9 U7.10 U7.15 U8.3 | length 44.6
  Top Layer w0.4: C39.1@-33.83,14.023 cw(c-34.205,13.648) -33.675,13.648 U7.15@-33.675,12.338 ; C39.1@-33.8,14.088 v1(-33.8,14.723)
  Top Layer w0.5: U8.3@-37.7,8.858 -36.814,9.744 cw(c-35.018,7.948) -35.018,10.488 -33.675,10.488 ; U7.15@-33.675,12.338 -33.675,10.488 ; U7.10@-27.325,12.338 -27.325,10.488 ; U7.9@-26.055,12.338 -26.055,10.948 cw(c-26.515,10.948) -26.515,10.488 -27.325,10.488 ; -33.675,10.488 -27.325,10.488
  Bottom Layer w0.4: C37.1@-35.3,8.858 -34.544,9.614 ccw(c-36.34,11.41) -33.8,11.41 v1(-33.8,14.723)
  Bottom Layer w1.4: U8.3@-37.713,8.918 cw(c-38.093,10.64) -39.857,10.64 -39.857,11.466 cw(c-37.498,11.466) -39.166,13.134 -37.972,14.328 ccw(c-40.597,16.954) -36.884,16.954 D2.1@-36.56,17.088 ; U8.3@-37.7,8.858 C37.1@-35.3,8.858
  Bottom Layer w2: D2.1@-36.56,17.088 D1.1@-31.48,17.088
CAN_H: D2.2 J5.1 U7.13 | length 27.7
  Top Layer w0.5: v3(-36.56,19.388) -31.41,14.238 cw(c-32.075,13.574) -31.135,13.574 U7.13@-31.135,12.338
  Bottom Layer w0.8: v3(-36.56,19.388) D2.2@-36.56,21.388
  Bottom Layer w2: D2.2@-36.56,21.388 J5.1@-36.56,37.8
CAN_L: D1.2 J5.2 U7.12 | length 26.1
  Top Layer w0.5: v3(-31.48,19.388) -31.48,15.969 ccw(c-30.54,15.969) -31.205,15.305 -30.14,14.24 cw(c-30.805,13.576) -29.865,13.576 U7.12@-29.865,12.338
  Bottom Layer w0.8: v3(-31.48,19.388) D1.2@-31.48,21.388
  Bottom Layer w2: D1.2@-31.48,21.388 J5.2@-31.48,37.83
CAN_RX: U7.3 U11.70 | length 30.7
  Top Layer w0.25: v1@-19.723,-1.435 -11.275,-9.883 cw(c-11.94,-10.547) -11,-10.547 U11.70@-11,-13.4
  Top Layer w0.4: v1(-32.405,1.23) U7.3@-32.405,2.838
  Bottom Layer w0.2: v1(-32.405,1.23) -29.728,1.23 cw(c-29.728,0.498) -29.21,1.016 -29.156,0.962 ccw(c-28.55,1.569) -28.55,0.711 -23.204,0.711 cw(c-23.204,-2.476) -20.951,-0.222 v1(-19.738,-1.435)
CAN_TX: U7.6 U11.71 | length 27.5
  Top Layer w0.25: v1(-19.738,-0.713) -10.922,-9.529 cw(c-11.94,-10.547) -10.5,-10.547 U11.71@-10.5,-13.4
  Top Layer w0.4: v1(-28.595,1.23) U7.6@-28.595,2.838
  Bottom Layer w0.2: v1(-28.595,1.23) -23.409,1.23 cw(c-23.409,-2.939) -20.46,0.009 v1(-19.738,-0.713)
EARTH: C30.2 J7.8 J7.SH2 R45.1 | length 9.9
  Bottom Layer w1: J7.8@-29.56,-23.105 -27.117,-25.548 ccw(c-25.956,-24.387) R45.1@-26.458,-25.95 ; J7.SH2@-26.255,-28.945 R45.1@-26.255,-26.153 R45.1@-26.458,-25.95 ; C30.2@-23.9,-26.029 -25.956,-26.029 cw(c-25.956,-24.387) R45.1@-26.458,-25.95
ETH_MDC: U1.13 U11.16 | length 30.4
  Top Layer w0.25: v1(-16,0.4) U11.16@-16,1.8
  Top Layer w0.28: U1.13@-36.7,-12.75 v1(-36.7,-12.125)
  Bottom Layer w0.2: v1(-36.7,-12.125) cw(c-35.558,-13.267) -35.558,-11.652 -26.916,-11.652 ccw(c-26.916,-10.712) -26.251,-11.377 ; -26.251,-11.377 -24.99,-10.116 cw(c-23.744,-11.363) -23.744,-9.6 -21.589,-9.6 ccw(c-21.589,-8.66) -20.925,-9.325 -19.375,-7.775 ccw(c-20.04,-7.111) -19.1,-7.111 -19.1,-4.317 cw(c-18.16,-4.317) -18.825,-3.653 -16.275,-1.103 ccw(c-16.94,-0.439) -16,-0.439 v1(-16,0.4)
ETH_MDIO: U1.12 U11.25 | length 27.1
  Top Layer w0.2: U1.12@-35.95,-12 -35.95,-11.603 ccw(c-36.153,-11.603) -36.153,-11.4 cw(c-36.153,-9.653) -37.9,-9.653 -37.9,-8.306 cw(c-32.789,-8.306) -36.403,-4.692 -32.553,-0.841 cw(c-29.948,-3.445) -29.948,0.237 -27.097,0.237 ccw(c-27.097,2.57) -25.447,0.921 -24.843,1.525 cw(c-24.178,0.86) -24.178,1.8 U11.25@-20.5,1.8
ETH_REF_CLK: U1.14 U11.24 | length 31.1
  Top Layer w0.2: U1.14@-36.7,-13.25 -37.2,-13.25 cw(c-37.2,-12.169) -38.281,-12.169 -38.281,-8.011 cw(c-33.351,-8.011) -36.837,-4.526 -32.882,-0.571 cw(c-29.766,-3.687) -29.766,0.72 -27.11,0.72 ccw(c-27.11,2.595) -25.784,1.269 -24.582,2.472 cw(c-22.824,0.714) -22.824,3.2 -20.5,3.2 cw(c-20.5,2.7) -20,2.7 U11.24@-20,1.8
ETH_RST: U1.15 U11.44 | length 20
  Top Layer w0.25: v1@-38.192,-13.75 v1(-38.125,-13.75) U1.15@-36.7,-13.75 ; v1(-23.5,-8.8) U11.44@-22.1,-8.8
  Bottom Layer w0.2: v1(-38.125,-13.75) -38.125,-13.115 cw(c-37.185,-13.115) -37.85,-12.45 -36.975,-11.575 cw(c-36.311,-12.24) -36.311,-11.3 -27.203,-11.3 ccw(c-27.203,-10.36) -26.539,-11.025 -24.752,-9.238 cw(c-23.695,-10.295) -23.695,-8.8 v1(-23.5,-8.8)
ETH_RXD0: R1.2 U1.8 U11.33 | length 20.7
  Top Layer w0.2: U1.8@-33.95,-12 -33.95,-11.75 cw(c-33.34,-11.75) -33.771,-11.319 -33.379,-10.926 ccw(c-33.558,-10.747) -33.304,-10.747 -33.304,-10.65 R1.2@-33.13,-10.476 -32.766,-10.476 ccw(c-32.766,-10.11) -32.4,-10.11 -32.4,-3.156 cw(c-31.644,-3.156) -31.644,-2.4 -27.873,-2.4 cw(c-27.873,-4.026) -26.724,-2.876 -26.7,-2.9 ccw(c-25.734,-1.934) -25.734,-3.3 U11.33@-22.1,-3.3
ETH_RXD1: R2.2 U1.7 U11.34 | length 21.1
  Top Layer w0.2: U1.7@-33.45,-12 -33.45,-11.603 cw(c-33.247,-11.603) -33.247,-11.4 -32,-11.4 ; R2.2@-31.276,-11.4 -32,-11.4 ; U11.34@-22.1,-3.8 -25.727,-3.8 cw(c-25.727,-2.174) -26.876,-3.324 -26.924,-3.276 ccw(c-28.073,-4.426) -28.073,-2.8 -31.17,-2.8 ccw(c-31.17,-3.63) -32,-3.63 -32,-11.4
ETH_RXDV: R5.1 U1.11 U11.32 | length 23.7
  Top Layer w0.2: R5.1@-36.2,-10.476 -36.624,-10.476 cw(c-36.624,-9.6) -37.5,-9.6 -37.5,-8.547 cw(c-32.532,-8.547) -36.045,-5.033 -33.487,-2.476 cw(c-32.338,-3.626) -32.338,-2 -27.666,-2 cw(c-27.666,-3.366) -26.7,-2.4 ccw(c-25.734,-1.434) -25.734,-2.8 U11.32@-22.1,-2.8 ; R5.1@-36.068,-10.627 ccw(c-35.458,-10.627) -35.89,-11.058 ; -35.889,-11.058 -35.624,-11.324 cw(c-36.043,-11.743) -35.45,-11.743 U1.11@-35.45,-12
ETH_TX_EN: U1.16 U11.48 | length 17.9
  Top Layer w0.25: v1(-37.625,-14.25) U1.16@-36.7,-14.25 ; v1(-23.5,-10.8) U11.48@-22.1,-10.8
  Bottom Layer w0.2: v1(-37.625,-14.25) -37.625,-14.172 cw(c-37.219,-14.172) -37.506,-13.884 -36.11,-12.488 cw(c-34.904,-13.695) -34.904,-11.989 -26.648,-11.989 ccw(c-26.648,-11.049) -25.984,-11.714 -25.345,-11.075 cw(c-24.681,-11.74) -24.681,-10.8 v1(-23.5,-10.8)
ETH_TXD0: U1.17 U11.51 | length 21
  Top Layer w0.25: v1(-38.125,-14.75) U1.17@-36.7,-14.75 ; v1(-20.5,-14.8) U11.51@-20.5,-13.4
  Bottom Layer w0.2: v1(-38.125,-14.75) -36.879,-14.75 cw(c-36.879,-15.156) -36.591,-14.869 -35.984,-15.477 ccw(c-35.696,-15.189) -35.696,-15.596 -33.231,-15.596 ccw(c-33.231,-15.189) -32.944,-15.477 -32.579,-15.111 cw(c-31.827,-15.863) -31.827,-14.8 v1(-20.5,-14.8)
ETH_TXD1: U1.18 U11.52 | length 24.6
  Top Layer w0.25: v1(-37.625,-15.25) U1.18@-36.7,-15.25 ; U11.52@-20,-13.4 v1(-20,-11.5)
  Bottom Layer w0.2: v1(-37.625,-15.25) -36.937,-15.25 cw(c-36.937,-15.657) -36.65,-15.369 -36.162,-15.858 ccw(c-35.874,-15.57) -35.874,-15.977 -33.1,-15.977 ccw(c-33.1,-15.294) -32.617,-15.777 -32.255,-15.415 ; -32.254,-15.414 cw(c-31.967,-15.702) -31.967,-15.296 -20.396,-15.296 ccw(c-20.396,-14.9) -20,-14.9 v1(-20,-11.5)
FR_CS: U10.1 U11.55 | length 7.4
  Top Layer w0.25: U11.55@-18.5,-13.4 v1(-18.5,-12)
  Bottom Layer w0.25: v1(-18.5,-12) -15.344,-12 ccw(c-15.344,-10.751) -14.095,-10.751 U10.1@-14.095,-9.84
FR_MISO: U10.2 U11.53 | length 7.1
  Top Layer w0.25: U11.53@-19.5,-13.4 v1(-19.5,-12)
  Bottom Layer w0.25: v1(-19.5,-12) -19.205,-11.705 ; -19.205,-11.705 cw(c-18.541,-12.37) -18.541,-11.43 -15.979,-11.43 ccw(c-15.979,-10.816) -15.365,-10.816 U10.2@-15.365,-9.84
FR_MOSI: U10.5 U11.54 | length 8.6
  Top Layer w0.25: U11.54@-19,-13.4 v1(-19,-10.992)
  Bottom Layer w0.2: v1(-19,-10.992) -19,-9.178 cw(c-18.06,-9.178) -18.725,-8.514 -18.18,-7.969 ccw(c-18.845,-7.305) -17.905,-7.305 U10.5@-17.905,-5.16
FR_SCK: U10.6 U11.47 | length 14.6
  Top Layer w0.25: v1(-24,-10.3) U11.47@-22.1,-10.3
  Bottom Layer w0.2: v1(-24,-10.3) -21.611,-10.3 ccw(c-21.611,-9.36) -20.947,-10.025 -18.919,-7.997 ccw(c-19.583,-7.332) -18.644,-7.332 -18.644,-4.47 cw(c-18.136,-4.47) -18.136,-3.962 -17.575,-3.962 cw(c-17.575,-4.902) -16.635,-4.902 U10.6@-16.635,-5.16